# Altium PCB PCB1.PcbDoc (part 1 of 2) (continued)
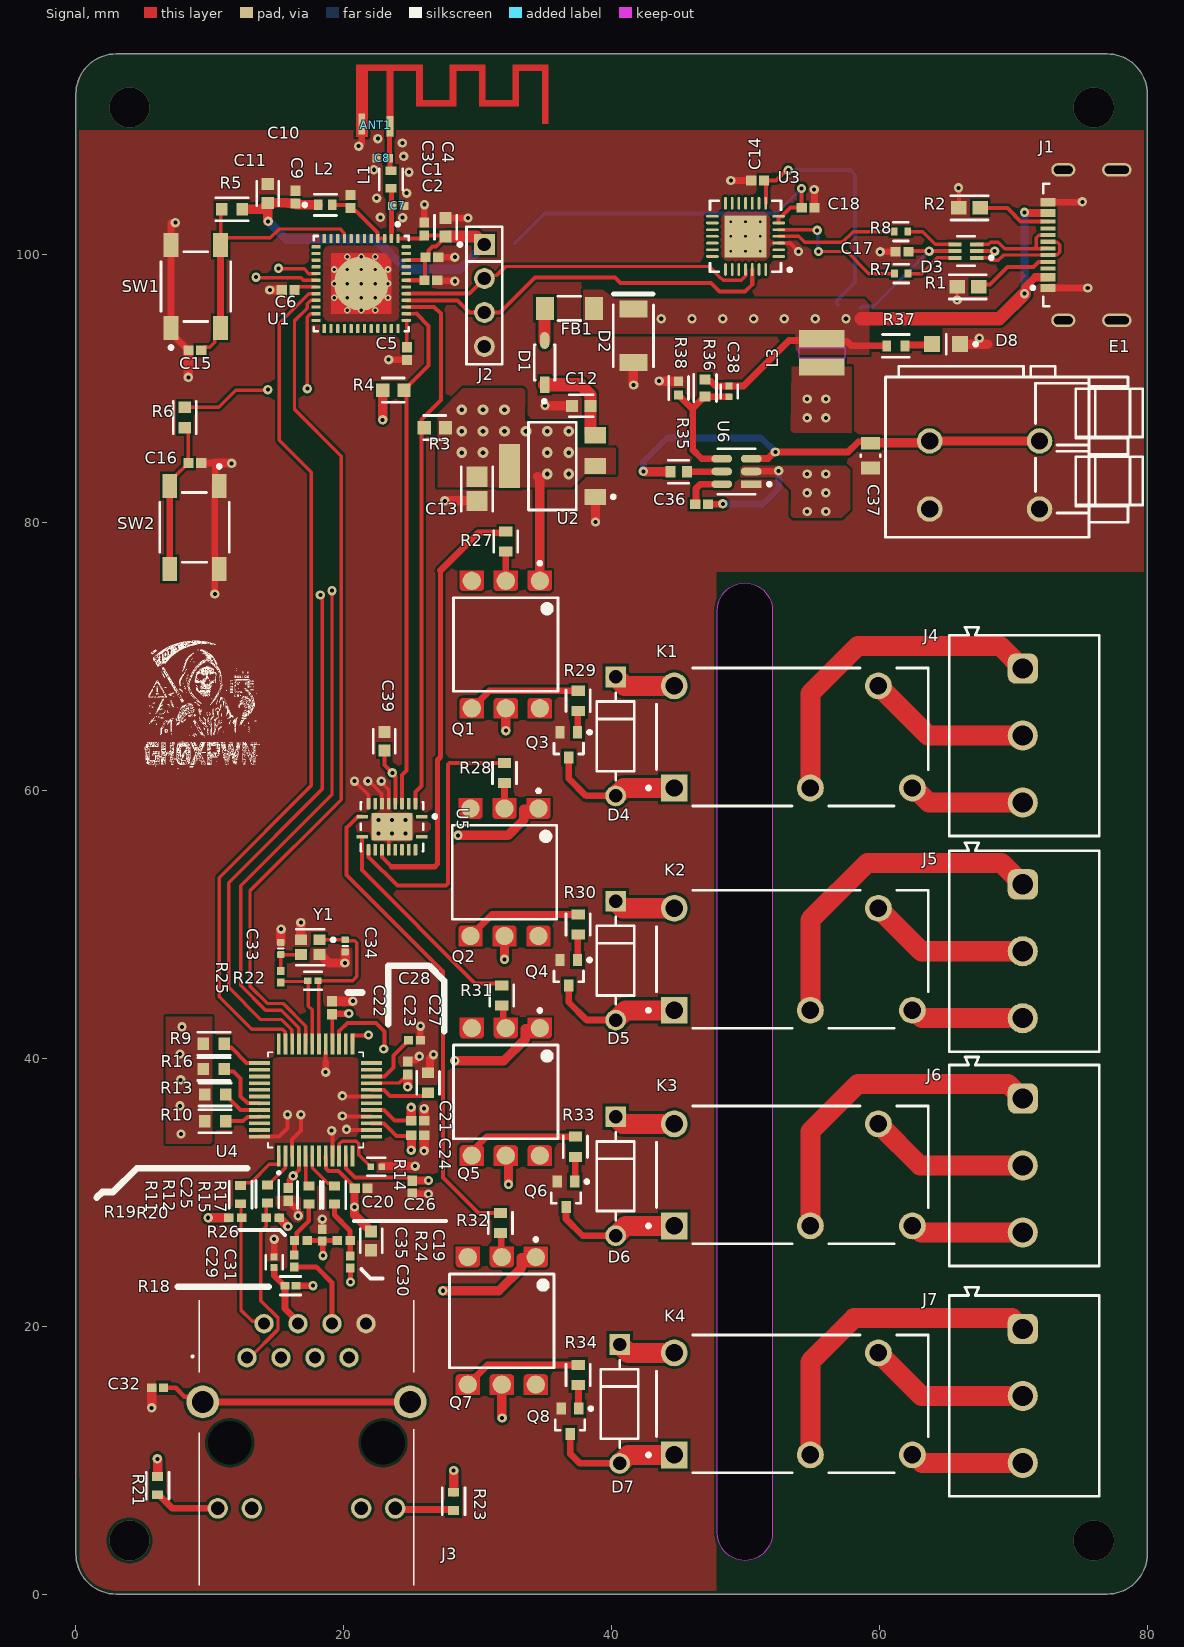
[diagram p0: Signal view]
## Components (designator, comment, footprint, x,y, rotation, side; value= is the part's Value field where it differs from the comment) (continued)
L2 "LQG15WZ22NH02J" FP-LQG15WH_02-IPC_A 18.627,103.725 r0 top
L3 "74438336068HT" WE-MAPI_3020 55.7,92.675 r90 top value=6.8uH
Q1 "4N25-X009T" FP-4N25-X009T-MFG 32.1,70.9 r270 top
Q2 "4N25-X009T" FP-4N25-X009T-MFG 32,53.9 r270 top
Q3 "BC817-40W-7" DIOD-SOT323-3_V 36.8,63.4 r270 top
Q4 "BC817-40W-7" DIOD-SOT323-3_V 36.8,46.4 r270 top
Q5 "4N25-X009T" FP-4N25-X009T-MFG 32.1,37.5 r270 top
Q6 "BC817-40W-7" DIOD-SOT323-3_V 36.6,29.85 r270 top
Q7 "4N25-X009T" FP-4N25-X009T-MFG 31.8,20.4 r270 top
Q8 "BC817-40W-7" DIOD-SOT323-3_V 36.9,12.9 r270 top
R1 "TFCR0603-10W-E-5101FT-1K" FP-TFCR0603-IPC_A 66.6,97.6 r0 top value=5.1kR
R2 "TFCR0603-10W-E-5101FT-1K" FP-TFCR0603-IPC_A 66.723,103.5 r0 top value=5.1kR
R3 "TFCR0603-10W-E-1001BT-1K" FP-TFCR0603-MFG 26.8,87.1 r180 top value=4K7R
R4 "TFCR0603-10W-E-1001BT-1K" FP-TFCR0603-MFG 23.7,89.9 r0 top value=4K7R
R5 "AC0603FR-7W10KL" FP-AC0603-IPC_B 11.648,103.4 r180 top value=10kR
R6 "AC0603FR-7W10KL" FP-AC0603-IPC_B 8.125,87.85 r90 top
R7 "RMCF0402FT22R0" FP-RMCF0402-MFG 61.625,98.6 r180 top
R8 "RMCF0402FT22R0" FP-RMCF0402-MFG 61.6,101.725 r180 top
R9 "AC0603FR-7W10KL" FP-AC0603-IPC_B 10.3,41.1 r0 top value=10kR
R10 "AC0603FR-7W10KL" FP-AC0603-IPC_B 10.4,35.3 r0 top value=10kR
R11 "AC0603JR-07330RL" FP-AC0603-IPC_C 12.3,29.823 r270 top
R12 "AC0603JR-07330RL" FP-AC0603-IPC_C 14.3,29.877 r270 top
R13 "AC0603FR-7W10KL" FP-AC0603-IPC_B 10.4,37.3 r0 top value=10kR
R14 "RK73H1ERTTP1242F" FP-RK73H1E-IPC_C 22.425,31.9 r180 top
R15 "AC0603JR-07330RL" FP-AC0603-IPC_C 17.4,29.8 r270 top
R16 "AC0603FR-7W10KL" FP-AC0603-IPC_B 10.3,39.2 r0 top value=10kR
R17 "AC0603JR-07330RL" FP-AC0603-IPC_C 19.3,29.8 r270 top
R18 "RMCF0402FT10R0" FP-RMCF0402-IPC_B 16.025,23.025 r0 top
R19 "RC0402FR-1349R9L" RESC1005X40X25ML05T10 11.9,28.1 r180 top value=49.9
R20 "RC0402FR-1349R9L" RESC1005X40X25ML05T10 14.7,28.1 r0 top value=49.9
R21 "AC0603JR-07330RL" FP-AC0603-IPC_C 6.1,8.1 r90 top
R22 "CRGCQ0402F1M0" FP-CRGCQ0402-IPC_C 17.7,45.8 r180 top value=1MΩ
R23 "AC0603JR-07330RL" FP-AC0603-IPC_C 28.2,6.923 r90 top
R24 "RC0402FR-1349R9L" RESC1005X40X25ML05T10 20,26.4 r0 top value=49.9
R25 "RC0402JR-100RL" RESC1005X40X25NL05T10 15.3,46.1 r270 top value=0R
R26 "RC0402FR-1349R9L" RESC1005X40X25ML05T10 16.8,26.4 r180 top value=49.9
R27 "CRCW0603330RFKEA" FP-CRCW0603-e3-MFG 32.1,78.6 r270 top
R28 "CRCW0603330RFKEA" FP-CRCW0603-e3-MFG 32,61.3 r90 top
R29 "CRCW0603330RFKEA" FP-CRCW0603-e3-MFG 37.5,66.7 r90 top
R30 "CRCW0603330RFKEA" FP-CRCW0603-e3-MFG 37.5,50 r90 top
R31 "CRCW0603330RFKEA" FP-CRCW0603-e3-MFG 31.8,44.7 r90 top
R32 "CRCW0603330RFKEA" FP-CRCW0603-e3-MFG 31.7,27.7 r90 top
R33 "CRCW0603330RFKEA" FP-CRCW0603-e3-MFG 37.3,33.4 r90 top
R34 "CRCW0603330RFKEA" FP-CRCW0603-e3-MFG 37.5,16.35 r90 top
R35 "CRCW0603442KFKEC" FP-CRCW0603-e3-IPC_C 45,83.8 r0 top
R36 "CRGP0603F100K" FP-CRGP0603-IPC_C 46.975,90.05 r90 top value=100KΩ
R37 "AC0603JR-07330RL" FP-AC0603-IPC_C 61.225,93.2 r180 top
R38 "RN73R1ETTP1112B25" FP-RN73R1E-IPC_A 45,90.05 r270 top value=11.1kR
SW1 "TM-533I-Q-T/R" MULT-TM-533I-Q_V 8.95,97.625 r90 top
SW2 "TM-533I-Q-T/R" MULT-TM-533I-Q_V 8.85,79.65 r270 top
U1 "ESP32-PICO-V3" FP-ESP32-PICO-V3-MFG 21.3,97.85 r270 top
U2 "AZ1117CH-3.3TRG1" FP-SOT223-MFG 35.575,84.225 r180 top locked
U3 "CP2102-GMR" SLAB-QFN-28-3125x3125TP_M 50,101.375 r180 top
U4 "W5500" QFP50P900X900X160-48N 17.9,36.9 r90 top locked
U5 "PCF8574RGYR" RGY0020A_V 23.6,57.3 r270 top
U6 "TPS54202HDDCR" FP-DDC0006A-IPC_B 49.325,83.825 r180 top
Y1 "ABM11AIG-25.000MHZ-J4Z-T3" FP-ABM11AIG-MFG 17.5,48.3 r180 top

## Footprints (in the part's own frame and the unit in brackets; to place one, negate y for a bottom-side part, rotate by r counter-clockwise, add the part's x,y. Pads: shape width x height; smd on the part's side, far side on the other; paste and mask are expansions set on the pad)
691253710003 [mm] "Serie 2537 - 5.00 mm _ 3 pins"
  rrect50% 2.25x2.25 hole 1.5: 1(-5,-0.1)
  round 2.25 hole 1.5: 2(0,-0.1) 3(5,-0.1)
  silkscreen extent -8.1,-5.6 7.5,5.6, body extent -8.1,-5.6 7.5,5.6, height 18.1
"Antena 2.4Ghz" [mm]
  rect 0.5x1.56 smd: 1(0,0.95) 2(2.1,0.79)
  Signal region: 11.25,4.9 13.95,4.9 13.95,5.4 11.25,5.4
  Signal region: 13.45,0.96 13.95,0.96 13.95,4.99 13.45,4.99
  Signal region: 11.25,2.26 11.75,2.26 11.75,5 11.25,5
  Signal region: 8.75,2.26 9.25,2.26 9.25,5 8.75,5
  Signal region: 6.55,2.26 7.05,2.26 7.05,4.95 6.55,4.95
  Signal region: 9.21,2.26 11.31,2.26 11.31,2.76 9.21,2.76
  Signal region: 4.05,2.26 4.55,2.26 4.55,4.92 4.05,4.92
  Signal region: -0.45,4.9 4.55,4.9 4.55,5.4 -0.45,5.4
  Signal region: 1.85,0 2.35,0 2.35,4.92 1.85,4.92
  Signal region: 6.55,4.9 9.25,4.9 9.25,5.4 6.55,5.4
  Signal region: 4.53,2.26 6.57,2.26 6.57,2.76 4.53,2.76
  Signal region: -0.45,0 0.45,0 0.45,4.92 -0.45,4.92
BOUR-SMA-2_V [mm] "SMA, 2-Leads, Body 4.57x2.92mm"
  rect 1.27x2.1 smd: 1(-1.985,0) 2(1.985,0)
  silkscreen extent -2.3,-1.5 3.12,1.5, body extent -2.5,-1.46 2.5,1.46, height 2.62
CAPC0402(1005)33_L [mm] "Chip Capacitor, Body 1.0x0.5mm, Height 0.33mm, IPC High Density"
  rrect25% 0.5x0.55 smd: 1(-0.45,0) 2(0.45,0)
  silkscreen extent 0,-0.2 0,0.2, body extent -0.5,-0.25 0.5,0.25, height 0.55
CAPC0402(1005)60_N [mm] "Chip Capacitor, Body 1.0x0.5mm, Height 0.6mm, IPC Medium Density"
  rect 0.62x0.62 smd: 1(-0.45,0) 2(0.45,0)
  body extent -0.55,-0.3 0.55,0.3, height 0.6
CAPC1005X60X26NL10T16 [mm] "Chip Capacitor, 2-Leads, Body 1.00x0.50mm, IPC Medium Density"
  rect 0.68x0.64 smd: 1(-0.44,0) 2(0.44,0)
  body extent -0.55,-0.3 0.55,0.3, height 0.6
CAPC1005X60X30ML05T10 [mm] "Chip Capacitor, 2-Leads, Body 1.00x0.50mm, IPC Low Density"
  rect 0.76x0.72 smd: 1(-0.48,0) 2(0.48,0)
  body extent -0.53,-0.28 0.53,0.27, height 0.6
DIOD-SOT323-3_V [mm] "SOT323, 3-Leads, Body 2.2x1.35mm, Pitch 0.65mm"
  rect 0.9x0.7 smd: 1(-0.95,0.65) 2(-0.95,-0.65) 3(0.95,0)
  silkscreen extent -1.07,-1.1 0.67,1.68, body extent -1.1,-1.1 1.1,1.1, height 1.07
FP-1N4007-MFG [mm]
  rect 1.55x1.55 hole 1 paste-2539.97 mask+0: 1(-4.44,0)
  round 1.55 hole 1 paste-2539.97 mask+0: 2(4.44,0)
  silkscreen extent -3.26,-1.4 3.26,1.4, body extent -5.32,-1.5 5.32,1.5, height 0.25
FP-4N25-X009T-MFG [mm]
  round 1.368 smd paste+0 mask+0: 1(-4.76,2.54) 2(-4.76,0) 3(-4.76,-2.54) 4(4.76,-2.54) 5(4.76,0) 6(4.76,2.54)
  Signal region: -5.52,3.43 -4.25,3.43 -4.154,3.411 -4.073,3.357 -4.019,3.276 -4,3.18 -4,3.18 -4,1.9 -4.019,1.804 -4.073,1.723 -4.154,1.669 -4.25,1.65 -4.25,1.65 -5.52,1.65
  Signal region: 5.52,-0.89 4.25,-0.89 4.154,-0.871 4.073,-0.817 4.019,-0.736 4,-0.64 4,-0.64 4,0.64 4.019,0.736 4.073,0.817 4.154,0.871 4.25,0.89 4.25,0.89 5.52,0.89
  Signal region: 5.52,1.65 4.25,1.65 4.154,1.669 4.073,1.723 4.019,1.804 4,1.9 4,1.9 4,3.18 4.019,3.276 4.073,3.357 4.154,3.411 4.25,3.43 4.25,3.43 5.52,3.43
  Signal region: 5.52,-3.43 4.25,-3.43 4.154,-3.411 4.073,-3.357 4.019,-3.276 4,-3.18 4,-3.18 4,-1.9 4.019,-1.804 4.073,-1.723 4.154,-1.669 4.25,-1.65 4.25,-1.65 5.52,-1.65
  Signal region: -5.52,-1.65 -4.25,-1.65 -4.154,-1.669 -4.073,-1.723 -4.019,-1.804 -4,-1.9 -4,-1.9 -4,-3.18 -4.019,-3.276 -4.073,-3.357 -4.154,-3.411 -4.25,-3.43 -4.25,-3.43 -5.52,-3.43
  Signal region: -5.52,0.89 -4.25,0.89 -4.154,0.871 -4.073,0.817 -4.019,0.736 -4,0.64 -4,0.64 -4,-0.64 -4.019,-0.736 -4.073,-0.817 -4.154,-0.871 -4.25,-0.89 -4.25,-0.89 -5.52,-0.89
  silkscreen extent -6.2,-3.9 3.5,3.9, body extent -5.62,-4 5.62,4, height 0.25
FP-315-43-104-41-003000-MFG [mm]
  rect 1.55x1.55 hole 1 paste-2539.97 mask+0: 1(-3.81,0)
  round 1.55 hole 1 paste-2539.97 mask+0: 2(-1.27,0) 3(1.27,0) 4(3.81,0)
  silkscreen extent -5.14,-1.95 5.14,1.33, body extent -5.24,-1.43 5.24,1.43, height 0.25
FP-216990-0002-MFG [mm]
  rrect100% 1x1.8 hole 1.4 slot 0.6 at 0 deg paste-2539.97 mask+0: 1(-5.62,2.85) 2(5.62,2.85)
  rrect100% 1x2.2 hole 1.8 slot 0.6 at 0 deg paste-2539.97 mask+0: 3(-5.62,-1.15) 4(5.62,-1.15)
  rect 0.6x1.1 smd paste+0 mask+0: A1-B12(-3.2,4) A4-B9(-2.4,4) B1-A12(3.2,4) B4-A9(2.4,4)
  rect 0.3x1.1 smd paste+0 mask+0: A5(-1.25,4) A6(-0.25,4) A7(0.25,4) A8(1.25,4) B5(1.75,4) B6(0.75,4) B7(-0.75,4) B8(-1.75,4)
  silkscreen extent -4.57,3.9 4.57,5.25, body extent -6.22,-3.45 6.22,4.65, height 0.25
FP-ABM11AIG-MFG [mm]
  rect 0.9x0.8 smd paste+0 mask+0: 1(-0.7,-0.55) 2(0.7,-0.55) 3(0.7,0.55) 4(-0.7,0.55)
  silkscreen extent -1.83,-1.35 1.05,1.35, body extent -1.25,-1.05 1.25,1.05, height 0.25
FP-AC0603-IPC_B [mm]
  rect 0.859x0.912 smd paste+0 mask+0: 1(-0.777,0) 2(0.777,0)
  silkscreen extent -1.21,-0.86 1.21,0.86, body extent -1.46,-0.71 1.46,0.71, height 0.25
FP-AC0603-IPC_C [mm]
  rect 0.659x0.812 smd paste+0 mask+0: 1(-0.677,0) 2(0.677,0)
  silkscreen extent -1.01,-0.85 1.01,0.85, body extent -1.11,-0.55 1.11,0.55, height 0.25
FP-BLM41-0_2-a1_2-IPC_C [mm]
  rect 1.354x1.706 smd paste+0 mask+0: 1(-1.826,0) 2(1.826,0)
  silkscreen extent -0.85,-0.9 0.85,0.9, body extent -2.6,-1 2.6,1, height 0.25
FP-C0402-BB-MFG [mm]
  rect 0.52x0.52 smd paste+0 mask+0: 1(-0.4,0) 2(0.4,0)
  silkscreen extent -0.5,-0.64 0.5,0.64, body extent -0.8,-0.4 0.8,0.4, height 0.25
FP-C0805C226M8PACTU-IPC_A [mm]
  rect 1.505x1.556 smd paste+0 mask+0: 1(-0.901,0) 2(0.901,0)
  silkscreen extent -1.65,-1.18 1.65,1.18, body extent -2.15,-1.28 2.15,1.28, height 0.25
FP-CC0603-DA-MFG [mm]
  rect 0.8x0.9 smd paste+0 mask+0: 1(-0.75,0) 2(0.75,0)
  silkscreen extent -0.85,-0.85 0.85,0.85, body extent -1.35,-0.75 1.35,0.75, height 0.25
FP-CC0603-DC-MFG [mm]
  rect 0.9x0.9 smd paste+0 mask+0: 1(-0.7,0) 2(0.7,0)
  silkscreen extent -0.9,-0.82 0.9,0.82, body extent -1.35,-0.75 1.35,0.75, height 0.25
FP-CC0805-0_85-MFG [mm]
  rect 0.95x1.4 smd paste+0 mask+0: 1(-0.925,0) 2(0.925,0)
  silkscreen extent -0.08,-0.72 0.08,0.72, body extent -1.6,-1.05 1.6,1.05, height 0.25
FP-CRCW0603-e3-IPC_C [mm]
  rect 0.735x0.862 smd paste+0 mask+0: 1(-0.615,0) 2(0.615,0)
  silkscreen extent -0.75,-0.85 0.75,0.85, body extent -1.08,-0.58 1.08,0.58, height 0.25
FP-CRCW0603-e3-MFG [mm]
  rect 0.75x1 smd paste+0 mask+0: 1(-0.75,0) 2(0.75,0)
  silkscreen extent -0.8,-0.9 0.8,0.9, body extent -1.22,-0.6 1.22,0.6, height 0.25
FP-CRGCQ0402-IPC_C [mm]
  rect 0.56x0.472 smd paste+0 mask+0: 1(-0.376,0) 2(0.376,0)
  silkscreen extent -0.66,-0.67 0.66,0.67, body extent -0.76,-0.38 0.76,0.38, height 0.25
FP-CRGP0603-IPC_C [mm]
  rect 0.758x0.812 smd paste+0 mask+0: 1(-0.627,0) 2(0.627,0)
  silkscreen extent -1.01,-0.85 1.01,0.85, body extent -1.11,-0.55 1.11,0.55, height 0.25
FP-DDC0006A-IPC_B [mm]
  rect 1.554x0.572 smd paste+0 mask+0: 1(-1.1,0.95)
  rrect100% 1.554x0.572 smd paste+0 mask+0: 2(-1.1,0) 3(-1.1,-0.95) 4(1.1,-0.95) 5(1.1,0) 6(1.1,0.95)
  silkscreen extent -2.58,-1.7 1.4,1.7, body extent -2.13,-1.7 2.13,1.7, height 0.25
FP-ESP32-PICO-V3-MFG [mm]
  rrect40% 0.68x0.25 smd paste-1000 mask-1000: 1(-3.365,2.75) 2(-3.365,2.25) 3(-3.365,1.75) 4(-3.365,1.25) 5(-3.365,0.75) 6(-3.365,0.25) 7(-3.365,-0.25) 8(-3.365,-0.75) 9(-3.365,-1.25) 10(-3.365,-1.75) 11(-3.365,-2.25) 12(-3.365,-2.75) 25(3.365,-2.75) 26(3.365,-2.25) 27(3.365,-1.75) 28(3.365,-1.25) 29(3.365,-0.75) 30(3.365,-0.25) 31(3.365,0.25) 32(3.365,0.75) 33(3.365,1.25) 34(3.365,1.75) 35(3.365,2.25) 36(3.365,2.75)
  rrect40% 0.25x0.68 smd paste-1000 mask-1000: 13(-2.75,-3.365) 14(-2.25,-3.365) 15(-1.75,-3.365) 16(-1.25,-3.365) 17(-0.75,-3.365) 18(-0.25,-3.365) 19(0.25,-3.365) 20(0.75,-3.365) 21(1.25,-3.365) 22(1.75,-3.365) 23(2.25,-3.365) 24(2.75,-3.365) 37(2.75,3.365) 38(2.25,3.365) 39(1.75,3.365) 40(1.25,3.365) 41(0.75,3.365) 42(0.25,3.365) 43(-0.25,3.365) 44(-0.75,3.365) 45(-1.25,3.365) 46(-1.75,3.365) 47(-2.25,3.365) 48(-2.75,3.365)
  round 4.05 smd paste-1000 mask+0: 49(0,0)
  Signal region: -2.25,-2.2 -2.243,-2.225 -2.225,-2.243 -2.2,-2.25 -2.2,-2.25 2.2,-2.25 2.225,-2.243 2.243,-2.225 2.25,-2.2 2.25,-2.2 2.25,2.2 2.243,2.225 2.225,2.243 2.2,2.25 2.2,2.25 -1.75,2.25 -2.25,1.75 -2.25,1.75
  silkscreen extent -4.55,-3.55 3.55,3.55, body extent -3.96,-3.96 3.96,3.96, height 0.25
FP-G5Q-14-EU_DC5-MFG [mm]
  rect 2x2 hole 1.3 paste-2539.97 mask+0: 1(-8.82,-3.81)
  round 2 hole 1.3 paste-2539.97 mask+0: 2(1.34,-3.81) 3(8.96,-3.81) 4(6.42,3.81) 5(-8.82,3.81)
  silkscreen extent -10.87,-5.15 10.15,5.15, body extent -10.25,-5.25 10.25,5.25, height 0.25
FP-LQG15WH_02-IPC_A [mm]
  rect 0.627x0.772 smd paste+0 mask+0: 1(-0.523,0) 2(0.523,0)
  silkscreen extent -1.66,-0.79 0.84,0.79, body extent -1.04,-0.59 1.04,0.59, height 0.25
FP-LQW18AN_10-MFG [mm]
  rect 0.625x0.85 smd paste+0 mask+0: 1(-0.663,0) 2(0.663,0)
  silkscreen extent -0.8,-0.87 0.8,0.87, body extent -1.07,-0.65 1.07,0.65, height 0.25
FP-RK73H1E-IPC_C [mm]
  rect 0.488x0.472 smd paste+0 mask+0: 1(-0.414,0) 2(0.414,0)
  silkscreen extent -0.66,-0.67 0.66,0.67, body extent -0.76,-0.38 0.76,0.38, height 0.25
FP-RMCF0402-IPC_B [mm]
  rect 0.681x0.572 smd paste+0 mask+0: 1(-0.416,0) 2(0.416,0)
  silkscreen extent -0.76,-0.69 0.76,0.69, body extent -0.91,-0.44 0.91,0.44, height 0.25
FP-RMCF0402-MFG [mm]
  rect 0.5x0.6 smd paste+0 mask+0: 1(-0.5,0) 2(0.5,0)
  silkscreen extent -0.55,-0.7 0.55,0.7, body extent -0.85,-0.4 0.85,0.4, height 0.25
FP-RN73R1E-IPC_A [mm]
  rect 0.688x0.672 smd paste+0 mask+0: 1(-0.514,0) 2(0.514,0)
  silkscreen extent -0.86,-0.74 0.86,0.74, body extent -1.06,-0.54 1.06,0.54, height 0.25
FP-SML-LX0805UWC-TR-MFG [mm]
  rect 1.2x1.2 smd paste+0 mask+0: 1(-1.05,0) 2(1.05,0)
  silkscreen extent -2.33,-0.75 0,0.75, body extent -1.75,-0.85 1.75,0.85, height 0.25
FP-SOD123-IPC_B [mm]
  rect 1.257x0.702 smd paste+0 mask+0: 1(-1.65,0)
  rrect100% 1.257x0.702 smd paste+0 mask+0: 2(1.65,0)
  silkscreen extent -3.02,-0.77 1.33,0.77, body extent -2.53,-1.02 2.53,1.02, height 0.25
FP-SOT223-MFG [mm]
  rect 1.6x1.2 smd paste+0 mask+0: 1(-3.2,2.3) 2(-3.2,0) 3(-3.2,-2.3)
  rect 1.6x3.3 smd paste+0 mask+0: 4(3.2,0)
  silkscreen extent -4.68,-3.27 1.78,3.27, body extent -4.1,-3.37 4.1,3.37, height 0.25
FP-SOT-666-MFG [mm]
  rect 0.99x0.3 smd paste+0 mask+0: 1(-0.805,0.5) 2(-0.805,0) 3(-0.805,-0.5) 4(0.805,-0.5) 5(0.805,0) 6(0.805,0.5)
  silkscreen extent -2.02,-1.1 0.65,1.1, body extent -1.4,-0.95 1.4,0.95, height 0.25
FP-TFCR0603-IPC_A [mm]
  rect 1.158x1.012 smd paste+0 mask+0: 1(-0.802,0) 2(0.802,0)
  silkscreen extent -1.38,-0.91 1.38,0.91, body extent -1.88,-1.01 1.88,1.01, height 0.25
FP-TFCR0603-MFG [mm]
  rect 1x1 smd paste+0 mask+0: 1(-0.8,0) 2(0.8,0)
  silkscreen extent -0.82,-0.9 0.82,0.9, body extent -1.4,-0.6 1.4,0.6, height 0.25
HR911105A [mm]
  round 1.446 hole 0.89: 1(0,0) 2(-1.27,-2.54) 3(-2.54,0) 4(-3.81,-2.54) 5(-5.08,0) 6(-6.35,-2.54) 7(-7.62,0) 8(-8.89,-2.54)
  round 1.53 hole 1.02: 9(2.18,11.25) 10(-0.36,11.25) 11(-8.53,11.25) 12(-11.07,11.25)
  round 2.445 hole 1.63: MH1(3.3,3.3) MH2(-12.19,3.3)
  round 1.625 hole 3.25 unplated: MH3(1.27,6.35) MH4(-10.16,6.35)
  silkscreen extent -12.46,-4.3 4.1,17, body extent -12.39,-4.08 3.49,17.32, height 13.53
LMF_5_08_90_02 [mm] "OMNIMATE Signal - Serie LMF  LMF 5.08/02/90 3.5"
  round 1.9 hole 1.3: A1(-3.88,-2.45) A1(-3.88,5.75) A2(1.2,5.75) A2(1.2,-2.45)
  silkscreen extent -5.98,-10.15 6.78,9.05, body extent -5.98,-10.15 6.83,9.05, height 14.81
MULT-TM-533I-Q_V [mm] "SMD, 4-Leads, Body 5.2x5.2mm"
  rect 1.8x1.1 smd: 1(-3.1,1.85) 2(3.1,1.85) 3(-3.1,-1.85) 4(3.1,-1.85)
  silkscreen extent -4.67,-2.6 2.6,2.6, body extent -2.6,-2.6 2.6,2.6, height 1.74
QFP50P900X900X160-48N [mm]
  rect 1.56x0.28 smd: 1(-4.18,2.75) 2(-4.18,2.25) 3(-4.18,1.75) 4(-4.18,1.25) 5(-4.18,0.75) 6(-4.18,0.25) 7(-4.18,-0.25) 8(-4.18,-0.75) 9(-4.18,-1.25) 10(-4.18,-1.75) 11(-4.18,-2.25) 12(-4.18,-2.75) 25(4.18,-2.75) 26(4.18,-2.25) 27(4.18,-1.75) 28(4.18,-1.25) 29(4.18,-0.75) 30(4.18,-0.25) 31(4.18,0.25) 32(4.18,0.75) 33(4.18,1.25) 34(4.18,1.75) 35(4.18,2.25) 36(4.18,2.75)
  rect 0.28x1.56 smd: 13(-2.75,-4.18) 14(-2.25,-4.18) 15(-1.75,-4.18) 16(-1.25,-4.18) 17(-0.75,-4.18) 18(-0.25,-4.18) 19(0.25,-4.18) 20(0.75,-4.18) 21(1.25,-4.18) 22(1.75,-4.18) 23(2.25,-4.18) 24(2.75,-4.18) 37(2.75,4.18) 38(2.25,4.18) 39(1.75,4.18) 40(1.25,4.18) 41(0.75,4.18) 42(0.25,4.18) 43(-0.25,4.18) 44(-0.75,4.18) 45(-1.25,4.18) 46(-1.75,4.18) 47(-2.25,4.18) 48(-2.75,4.18)
  silkscreen extent -5.55,-3.55 3.55,3.55, body extent -4.5,-4.5 4.5,4.5, height 1.6
RESC1005X40X25ML05T10 [mm] "Chip Resistor, 2-Leads, Body 1.00x0.50mm, IPC Low Density"
  rect 0.7x0.65 smd: 1(-0.475,0) 2(0.475,0)
  body extent -0.53,-0.27 0.53,0.28, height 0.4
RESC1005X40X25NL05T10 [mm] "Chip Resistor, 2-Leads, Body 1.00x0.50mm, IPC Medium Density"
  rect 0.6x0.55 smd: 1(-0.425,0) 2(0.425,0)
  body extent -0.53,-0.27 0.53,0.28, height 0.4
RGY0020A_V [mm] "QFN, 20-Leads, Body 4.5x3.5mm, Thermal Pad 3.05x2.05mm, TI Recommend"
  rrect36% 0.28x0.85 smd paste-0.85 mask+0.07: 1(-0.75,2.225) 10(-0.75,-2.225) 11(0.75,-2.225) 20(0.75,2.225)
  rrect36% 0.85x0.28 smd paste-0.85 mask+0.07: 2(-1.725,1.75) 3(-1.725,1.25) 4(-1.725,0.75) 5(-1.725,0.25) 6(-1.725,-0.25) 7(-1.725,-0.75) 8(-1.725,-1.25) 9(-1.725,-1.75) 12(1.725,-1.75) 13(1.725,-1.25) 14(1.725,-0.75) 15(1.725,-0.25) 16(1.725,0.25) 17(1.725,0.75) 18(1.725,1.25) 19(1.725,1.75)
  rrect5% 2.05x3.05 smd paste-2.05 mask+0.07: 21(0,0)
  silkscreen extent -1.83,-2.32 1.83,3.33, body extent -1.75,-2.25 1.75,2.25, height 1
SLAB-QFN-28-3125x3125TP_M [mm] "QFN, 28-Leads, Body 5x5mm, Pitch 0.5mm, Thermal Pad 3.13x3.13mm, IPC Low Density"
  oval 0.95x0.2 smd: 1(-2.475,1.5) 2(-2.475,1) 3(-2.475,0.5) 4(-2.475,0) 5(-2.475,-0.5) 6(-2.475,-1) 7(-2.475,-1.5) 15(2.475,-1.5) 16(2.475,-1) 17(2.475,-0.5) 18(2.475,0) 19(2.475,0.5) 20(2.475,1) 21(2.475,1.5)
  oval 0.2x0.95 smd: 8(-1.5,-2.475) 9(-1,-2.475) 10(-0.5,-2.475) 11(0,-2.475) 12(0.5,-2.475) 13(1,-2.475) 14(1.5,-2.475) 22(1.5,2.475) 23(1,2.475) 24(0.5,2.475) 25(0,2.475) 26(-0.5,2.475) 27(-1,2.475) 28(-1.5,2.475)
  rect 3.13x3.13 smd: 29(0,0)
  silkscreen extent -3.42,-2.65 2.65,2.65, body extent -2.5,-2.5 2.5,2.5, height 1
WE-MAPI_3020 [mm] "SMT Shielded Power Inductor, body 3.00 x 3.00 mm"
  rect 1.3x3.4 smd: 1(-1.05,0) 2(1.05,0)
  Signal keep-out region: -0.4,1.7 0.4,1.7 0.4,-1.7 -0.4,-1.7
  body extent -1.5,-1.5 1.5,1.5, height 2.01

## Part data
ANT1: library part Component_1, Design Item ID=Component_1, Source=antena2.4Ghz.SchLib
C1 C2 C3 C5 C6 C9 C10 C14 C15 C16 C17 C18 C20 C21 C22 C23 C24 C25 C26 C36: library part CMP-2008-02199-1, Manufacturer=Kemet, Part Number=C0402C104M9RACTU
C4 C11 C12 C19 C39: library part CMP-00621-81932632-1, "CC0603KRX5R7BB106 Multilayer Ceramic Capacitor, 10 uF, 16 V, ± 10%, X5R, 0603 [1608 Metric]", Capacitance=10µF, Case/Package=0603, Dielectric=X5R, Max Operating Temperature=85°C, Min Operating Temperature=-55°C, Tolerance=10%, Voltage Rating=16V, Halogen Free="Halogen Free", Height=1mm, Lead Free="Lead Free", Material=Ceramic, NexarPartId=81932632, RoHS=Non-Compliant, Voltage Rating (DC)=16V
C7 C8: library part CMP-1034-00215-1, "CAP 2.7pF 50V ±0.1pF 0402 (1005 Metric) Thickness 0.6mm SMD", Case-EIA=0402, Case-Metric=1005, Rated Voltage="50 V", Tolerance=Â±0.1pF, Max Thickness="0.6 mm", Technology=SMT
C13: library part CMP-03020-034697-1, "CAP CER 22UF 10V X5R 0805", Capacitance=22uF, Case Code (Imperial)=0805, Case Code (Metric)=2012, Dielectric=X5R, Dielectric Material=Ceramic, Max Operating Temperature=85°C, Min Operating Temperature=-55°C, Tolerance=20%, Voltage=10V, Case/Package=0805, Depth=1.25mm, Dissipation Factor=10%, Height=1.25mm, Lead Free="Lead Free", Length=0.079inch, Mount="Surface Mount", Packaging="Tape and Reel", RoHS Compliant=Yes, Termination=Solder, Thickness=0.055inch, Voltage Rating=10V, Voltage Rating (DC)=10V, Width=0.049inch
C27: library part CMP-03422-001217-1, "CAP CER 4.7UF 25V X5R 0603", Capacitance="4.7 uF", Manufacturer=YAGEO, Package=CC0603-DA, Temperature="-55°C to +125°C", Temperature Characteristic=X5R, Temperature Coefficient=15%, Temperature Range High=+125°C, Temperature Range Low=-55°C, Tolerance=0.1, Voltage="25 V", Automotive=No, Category=Cap, ComponentLink2Description=Datasheet, ComponentLink2URL=http://www.yageo.com/documents/recent/UPY-GPHC_X7R_6.3V-to-50V_18.pdf, Device Class L1="Passive Components", Device Class L2=Capacitors, Device Class L3="Ceramic Capacitors", Digikey Description="CAP CER 4.7UF 25V X5R 0603", Footprint Url=http://www.yageo.com/exep/pages/download/literatures/UPY-C_GEN_24.pdf, Height=0.9mm, Lead Free=Yes, Manufacturer Part Number=CC0603KRX5R8BB475, Material=Ceramic, Octopart=https://octopart.com/cc0603krx5r8bb475-yageo-77825350, RoHS=TRUE, Voltage Rating="25 V"
C28 C32 C35: library part CMP-2008-01205-1, Manufacturer=Vitramon, Part Number=VJ0402Y103MXXAC
C29: library part CMP-03020-007459-1, "C0402 22,000 pF X7R 10.00% 16 V", Capacitance="22,000 pF", Manufacturer=Kemet, Package=C0402-BB, Temperature="-55°C to +125°C", Temperature Characteristic=X7R, Temperature Coefficient=15%, Temperature Range High=+125°C, Temperature Range Low=-55°C, Tolerance=0.1, Voltage Rating="16 V", Automotive=No, Category=Cap, ComponentLink2Description=Datasheet, ComponentLink2URL=https://content.kemet.com/datasheets/KEM_C1002_X7R_SMD.pdf, Device Class L1="Passive Components", Device Class L2=Capacitors, Device Class L3="Ceramic Capacitors", Height=0.55mm, Ipc Land Pattern Name=CAPC10050X50, Lead Free=Yes, Manufacturer Part Number=C0402C223K4RAC7411, Material=Ceramic, Octopart=https://octopart.com/c0402c223k4rac7411-kemet-89441538, RoHS=TRUE
C30 C31: library part CMP-1034-01847-2, Manufacturer=Vitramon, Part Number=VJ0402Y682KXXAC
C33 C34: library part CMP-001-00072-4, "Chip Capacitor, 12pF +/-10%, 50V, 0402, Thickness 0.33 mm", Case/Package=0402, Max Operating Temperature=85°C, Min Operating Temperature=-55°C, Tolerance=20%, Voltage Rating=50V, Mounting Technology=SMT, Pins=2
C37: library part CMP-03422-000966-1, "CAP CER 4.7UF 50V X5R 0805", Capacitance="4.7 uF", Manufacturer=Yageo, Package=CC0805-0.85, Temperature="-30°C to +85°C", Temperature Characteristic=X5R, Temperature Range High=+85°C, Temperature Range Low=-30°C, Tolerance=0.1, Voltage Rating="50 V", Automotive=No, Category=Cap, ComponentLink2Description=Datasheet, ComponentLink2URL=http://www.yageo.com/documents/recent/UPY-GPHC_Y5V_6.3V-to-50V_8.pdf, Device Class L1="Passive Components", Device Class L2=Capacitors, Device Class L3="Ceramic Capacitors", Digikey Description="CAP CER 4.7UF 50V X5R 0805", Footprint Url=http://www.yageo.com/exep/pages/download/literatures/UPY-C_GEN_24.pdf, Height=0.95mm, Ipc Land Pattern Name=CAPC200125X85, Lead Free=Yes, Manufacturer Part Number=CC0805KKX5R9BB475, Material=Ceramic, Octopart=https://octopart.com/cc0805kkx5r9bb475-yageo-81932641, RoHS=TRUE
C38: library part CMP-03020-011520-1, "C0402 68 pF X8R 5.00% 50 V", Capacitance="68 pF", Manufacturer=Kemet, Package=C0402-BB, Temperature="-55°C to +125°C", Temperature Characteristic=X8R, Temperature Coefficient=15%, Temperature Range High=+125°C, Temperature Range Low=-55°C, Tolerance=0.05, Voltage Rating="50 V", Automotive=No, Category=Cap, ComponentLink2Description=Datasheet, ComponentLink2URL=https://content.kemet.com/datasheets/KEM_C1002_X7R_SMD.pdf, Device Class L1="Passive Components", Device Class L2=Capacitors, Device Class L3="Ceramic Capacitors", Height=0.55mm, Ipc Land Pattern Name=CAPC10050X50, Lead Free=Yes, Manufacturer Part Number=C0402C680J5HACTU, Material=Ceramic, Octopart=https://octopart.com/c0402c680j5hactu-kemet-88724668, RoHS=TRUE
D1: library part CMP-0303-00003-3, "DIODE SCHOTTKY 40V 1A SOD123", Average Rectified Current=1A, Capacitance=110pF, Case/Package=SOD-123-2, Forward Voltage=450mV, Max Forward Surge Current (Ifsm)=25A, Max Operating Temperature=125°C, Max Power Dissipation=450mW, Max Repetitive Reverse Voltage (Vrrm)=40V, Min Operating Temperature=-65°C, Package Quantity=3000, Peak Reverse Current=50uA, Contact Plating=Tin, Current Rating=1A, Element Configuration=Single, Forward Current=1A, Height=1.25mm, Lead Free="Lead Free", Length=2.85mm, Max Reverse Voltage (DC)=40V, Number of Pins=2, Output Current=1A, Packaging="Tape and Reel", Peak Non-Repetitive Surge Current=25A, Polarity=Standard, Radiation Hardening=No, REACH SVHC="No SVHC", Termination=SMD/SMT, Voltage Rating (DC)=40V, Weight=0.000353oz, Width=1.7mm
D2: library part CMP-2000-07090-1, "SMAJ Transient Voltage Suppressor Diode Series, 3.5 V, -55 to 150 degC, 2-Pin SMA, RoHS, Tape and Reel", Capacitance @ Frequency=-, Current - Peak Pulse (10/1000µs)=43.5A, Manufacturer=Bourns, Operating Temperature=-55°C~150°C(TJ), Package / Case=DO-214AC,SMA, Package Description="2-Pin Surface Mount Device, Body 4.315 x 2.605 mm", Package Reference=SMA-2, Power - Peak Pulse=400W, Power Line Protection=No, Standard Package=1, Supplier Device Package=SMA(DO-214AC), Voltage - Breakdown (Min)=6.4V, Voltage - Clamping (Max) @ Ipp=9.2V, Voltage - Reverse Standoff (Typ)=5V, Applications=GeneralPurpose, Bidirectional Channels=-, Catalog Drawings=SMAJSeriesFootprintSMAJ,SMBJSeries, Category=CircuitProtection, Datasheet URL=https://datasheet.ciiva.com/25624/0900766b8112213b-25624680.pdf, Datasheet Version=08/2012, EDA / CAD Models=DownloadfromAcceleratedDesigns, Family=TVS-Diodes, Featured Product=SMAJ/SMBJ/SMCJ/SMLJDiscreteTVSDiodes, Manufacturer URL=http://www.bourns.com/, Mounting Technology=SurfaceMount, Mounting Type=SurfaceMount, Online Catalog=SMAJSeries, Other Names=SMAJ5.0ABDKR, Packaging=Digi-Reel®, RoHS Information=SMAJSeriesMaterialDeclaration, Series=SMAJ, Type=Zener, Unidirectional Channels=1
D3: library part CMP-12225-000058-1, "TVS DIODE 5.25V 17V SOT666", Breakdown Voltage=6V, Capacitance=3.5pF, Case/Package=SOT-666, Clamping Voltage=17V, Leakage Current=150nA, Max Operating Temperature=125°C, Min Operating Temperature=-40°C, Operating Supply Voltage=5V, Package Quantity=1, Peak Pulse Current=5A, Power Line Protection=Yes, Test Current=1mA, Contact Plating=Tin, Depth=1.3mm, Direction=Unidirectional, Element Configuration=Dual, ESD Protection=Yes, Height=0.6mm, Lead Free="Lead Free", Length=1.7mm, Max Breakdown Voltage=6V, Max Reverse Leakage Current=150nA, Min Breakdown Voltage=6V, Mount="Surface Mount", Number of Bidirectional Channels=2, Number of Channels=2, Number of Elements=1, Number of Pins=6, Packaging="Tape and Reel", Polarity=Unidirectional, Radiation Hardening=No, REACH SVHC="No SVHC", Reverse Breakdown Voltage=6V, Reverse Standoff Voltage=5V, Termination=SMD/SMT, Width=1.3mm, Working Voltage=5V
D4 D5 D6 D7: library part CMP-123542-000001-1, "Rectifier diode 1000 V 1 A DO-41, ,", Capacitance=15pF, Forward Current=1A, Manufacturer=Diotec, Max Junction Temp=+175°C, Max Repetitive Reverse Voltage=1000V, Max Surge Forward Current=27A, Peak Reverse Current=5uA, Temperature="-50°C to +175°C", Temperature Range Low=-50°C, Automotive=No, Category=Diode, ComponentLink2Description=Datasheet, ComponentLink2URL=https://datasheet.octopart.com/1N4007-Diotec-datasheet-62346875.pdf, Device Class L1="Discrete Semiconductors", Device Class L2=Diodes, Device Class L3="Rectifier Diodes", Height=2.8mm, Ipc Land Pattern Name=DIOAD888W100L520D280, Lead Free=Yes, Manufacturer Part Number=1N4007, Octopart=https://octopart.com/1n4007-diotec-4040411, Package=1N4007, Reverse Voltage=1000V, RoHS=TRUE, Temperature Range High=+175°C
D8: library part CMP-00229-00139794-1, "SML-LX0805UWC-TR White LED, 0805 Diffused, Rectangle Lens SMD package", Case/Package=0805, Forward Current=20mA, Forward Voltage=3.5V, Illumination Color=White, Lens Color="Clear, Yellow", Max Operating Temperature=85°C, Min Operating Temperature=-40°C, Power Rating=120mW, Approvals="CSA, UL", Luminous Intensity=150mcd, Mount="Surface Mount", NexarPartId=139794, Number of LEDs=1, RoHS=Compliant, Viewing Angle=120°
E1: library part CMP-1559-01844-1, "OMNIMATE Signal - series LMF", Colour=Orange, Manufacturer=Weidmueller, Rated_current_min_no_of_poles_TU_20_deg_C="32 A", Rated_current_use_group_B_UL_1059="20 A", Rated_voltage_for_surge_voltage_class_pollution_degree_II_2="400 V", Rated_voltage_use_group_B_UL_1059="300 V", UL_94_flammability_rating=V-0, ComponentLink1Description="Manufacturer URL", ComponentLink1URL=http://www.weidmueller.com/, ComponentLink2Description="URL Link1", ComponentLink2URL=http://catalog.weidmueller.com/catalog/Start.do?localeId=en&ObjectID=1330710000, Contact_material=CuSn, Contact_surface=tinned, Insulating_material="Wemid (PA)", No_of_poles=2, PackageReference=LMF_5_08_90_02, Packaging=Box, PartNumber=1330710000, Pitch_inch="0,2 inch", Pitch_mm="5,08 mm", Qty="130 PCS", Revision=V1, Short_text_for_material="LMF 5.08/02/90 3.5SN OR BX", Solder_pin_length_mm="3,5 mm", Solid_max_H05_07_V_U="2,5 mm²", Solid_min_H05_07_V_U="0,2 mm²", Wire_cross_section_AWG_max_UL_1059="AWG 12", Wire_cross_section_AWG_min_UL_1059="AWG 26"
FB1: library part CMP-06046-001990-1, "Ferrite Bead, 1806, 75Ω @ 100MHz, 0.015Ω, 3.5A", RoHS Compliant=Yes
J1: library part CMP-04767-000018-1, "CONN RCP USB2.0 TYP C 24P SMD RA"
J2: library part CMP-00254-30991456-1, "315-43-104-41-003000 4 Position Receptacle Connector 0.100 (2.54mm) Through Hole Gold\"", Color=Black, Current Rating=3A, Max Operating Temperature=125°C, Min Operating Temperature=-55°C, Voltage Rating=150V, Connector Type="Receptacle, Socket", Contact Material="Gold, Nickel", Contact Plating=Gold, Height=2.667mm, Mount="Through Hole", Number of Contacts=4, Number of Positions=4, Number of Rows=1, Packaging=Bulk, Pitch=2.54mm, RoHS=Compliant, Termination=Solder
J3: "Connector", Manufacturer_Name="Hanrun Electronics", Datasheet Link=https://datasheet.lcsc.com/szlcsc/Zhongshan-HanRun-Elec-HR911105A_C12074.pdf, Height=13.75mm, Manufacturer_Part_Number=HR911105A
J4 J5 J6 J7: library part CMP-1502-02590-3, "Terminal Block, 5.08MM Pitch, Horizontal, Modular, Rising Cage Clamp, 3PINS"
K1 K2 K3 K4: library part CMP-08822-000046-1, "RELAY GEN PURPOSE SPDT 10A 5V", Coil Current=80mA, Coil Power=400mW, Coil Resistance=63R, Coil Voltage (DC)=5V, Contact Current Rating=10A, Max Operating Temperature=85°C, Max Voltage Rating (AC)=277V, Max Voltage Rating (DC)=30V, Min Operating Temperature=-40°C, Package Quantity=400, Coil Type=Non-Latching, Contact Material=Silver, Depth=10.3mm, Length=20.3mm, Mount="Through Hole", Number of Pins=5, Operate Time=10ms, Packaging=Bulk, Relay Type="General Purpose", Release Time=5ms, RoHS Compliant=Yes, Series=G5Q-EU, Termination="PC Pin", Throw Configuration=SPDT, Voltage Rating (AC)=277V
L1: library part CMP-06042-001078-1, "Wire Wound RF Inductor for Automotive 2.2nH ±0.5nH 1400mA 0.018Ω 0603 (1608)"
L2: library part CMP-06042-013847-1, "Multilayer type Inductor for Automotive 22nH ±3% 1.1Ω 230mA 0402"
L3: library part CMP-03913-147411463-1, "Power Inductor, 6.8UH, Shielded, 2A Rohs Compliant: Yes"
Q1 Q2 Q5 Q7: library part CMP-00030-12292229-1, "4N25-X009T Optocoupler DC-IN 1-CH Transistor With Base DC-OUT 6-Pin PDIP SMD T/R", Case/Package=SMD/SMT, Collector Emitter Saturation Voltage=500mV, Collector Emitter Voltage (VCEO)=70V, Current Transfer Ratio=50%, Forward Current=60mA, Forward Voltage=1.36V, Max Collector Current=100mA, Max Operating Temperature=100°C, Max Power Dissipation=150mW, Min Operating Temperature=-55°C, Output Current per Channel=50mA, Reverse Breakdown Voltage=6V, Contact Plating=Tin, Lead Free="Lead Free", Max Input Current=60mA, Max Output Voltage=70V, Mount="Surface Mount", NexarPartId=12292229, Number of Channels=1, Number of Elements=1, Number of Pins=6, Packaging="Tape & Reel (TR)", Power Dissipation=150mW, Radiation Hardening=No, RoHS=Compliant
Q3 Q4 Q6 Q8: library part CMP-2000-05934-1, "NPN Small Signal Transistor, 45 V, 500 mA, -65 to 150 degC, 3-Pin SOT323, RoHS, Tape and Reel", Collector- Base Voltage VCBO=50V, Collector- Emitter Voltage VCEO Max=45V, Collector-Emitter Saturation Voltage=0.7V, Emitter- Base Voltage VEBO=5V, Manufacturer=DiodesIncorporated, Maximum DC Collector Current=1A, Maximum Operating Temperature=+150C, Minimum Operating Temperature=-65C, Package / Case=SOT-23, Package Description="3-Pin Small Outline Transistor, Body 2 x 1.25 mm, Pitch 0.65 mm", Package Reference=SOT323, Pd - Power Dissipation=200mW, Brand=DiodesIncorporated, Configuration=Single, Datasheet URL=http://www.diodes.com/_files/datasheets/ds30575.pdf, Datasheet Version="Rev. 5-2, 01/2014", DC Collector/Base Gain hfe Min=250, Factory Pack Quantity=3000, Gain Bandwidth Product fT=100MHz, Height=1mm, Length=2.2mm, Manufacturer URL=http://www.diodes.com/, Mounting Style=SMD/SMT, Mounting Technology=SurfaceMount, Packaging=Reel, Product Category=BipolarTransistors-BJT, RoHS=True, Series=BC817, Transistor Polarity=NPN, Unit Weight=0.000282oz, Width=1.35mm
R1 R2: library part CMP-250906-189493-1, "RES Thin Film,  5.1kΩ, 1%, 0.1W, 25ppm/°C, 0603"
R3 R4: library part CMP-250906-149963-1, "RES Thin Film,  1kΩ, 0.1%, 0.1W, 25ppm/°C, 0603"
R5 R6 R9 R10 R13 R16: library part CMP-03412-038553-1, "RES 10kΩ 1.00% 0.2W 0603"
R7 R8: library part CMP-26527-006952-1, "22Ω ±1% 0.063W 0402 Thick Film Chip Resistor AEC-Q200 compliant", Case/Package=0402, Max Operating Temperature=155°C, Max Power Dissipation=63mW, Min Operating Temperature=-55°C, Resistance=22R, Resistor Type="Thick Film", Temperature Coefficient=100ppm/°C, Tolerance=1%, Contact Plating=Tin, Features="Automotive AEC-Q200", Height=0.016inch, Length=0.039inch, Mount="Surface Mount", Number of Terminations=2, Packaging="Tape and Reel", RoHS Compliant=Yes, Series=RMCF, Width=0.02inch
R11 R12 R15 R17: library part CMP-03412-039929-1, "RES 330Ω 5.00% 0.1W 0603", Case Code (Imperial)=0603, Case Code (Metric)=1608, Max Operating Temperature=155°C, Max Power Dissipation=100mW, Min Operating Temperature=-55°C, Ratings=AEC-Q200, Resistance=33R, Resistor Type="Thick Film", Temperature Coefficient=100ppm/°C, Tolerance=5%, Voltage Rating=50V, Case/Package=0603, Features="Moisture Resistant", Height=0.45mm, Length=1.6mm, Number of Terminations=2, Packaging="Tape and Reel", Power Rating=100mW, RoHS Compliant=Yes, Series=AC, Termination=SMD/SMT, Weight=7.1E-05oz, Width=0.8mm
R14: library part CMP-04015-098464-1, "12.4kΩ ±1% 0.1W Chip Resistor 0402 Flat Chip (Anti-Sulfuration) AEC-Q200 Qualified", Case Code (Imperial)=0402, Case Code (Metric)=1005, Max Operating Temperature=155°C, Min Operating Temperature=-55°C, Package Quantity=10000, Power Rating=63mW, Resistance=12.4kR, Temperature Coefficient=100ppm/°C, Tolerance=1%, Voltage Rating=50V, Case/Package=0402, Height=0.35mm, Length=1mm, Packaging="Tape and Reel", RoHS Compliant=Yes, Termination=SMD/SMT, Weight=2.3E-05oz, Width=0.5mm
R18: library part CMP-26527-003397-1, "10Ω ±1% 0.063W 0402 Thick Film Chip Resistor AEC-Q200 compliant", Case Code (Imperial)=0402, Case Code (Metric)=1005, Max Operating Temperature=155°C, Max Power Dissipation=63mW, Min Operating Temperature=-55°C, Resistance=10R, Resistor Type="Thick Film", Temperature Coefficient=100ppm/°C, Tolerance=1%, Case/Package=0402, Construction=Rectangular, Contact Plating=Tin, Depth=0.5mm, Features="Automotive AEC-Q200", Height=0.016inch, Lead Free="Lead Free", Length=0.039inch, Military Standard=Not, Mount="Surface Mount", Number of Terminations=2, Packaging="Tape and Reel", Power Rating=63mW, Radiation Hardening=No, RoHS Compliant=Yes, Series=RMCF, Size Code=0402, Width=0.02inch
R19 R20 R24 R26: library part CMP-2002-07892-1, Manufacturer=Yageo, Part Number=RC0402FR-1349R9L
R21 R23 R37: library part CMP-03412-039929-1, "RES 330Ω 5.00% 0.1W 0603", Case Code (Imperial)=0603, Case Code (Metric)=1608, Max Operating Temperature=155°C, Max Power Dissipation=100mW, Min Operating Temperature=-55°C, Ratings=AEC-Q200, Resistance=330R, Resistor Type="Thick Film", Temperature Coefficient=100ppm/°C, Tolerance=5%, Voltage Rating=50V, Case/Package=0603, Features="Moisture Resistant", Height=0.45mm, Length=1.6mm, Number of Terminations=2, Packaging="Tape and Reel", Power Rating=100mW, RoHS Compliant=Yes, Series=AC, Termination=SMD/SMT, Weight=7.1E-05oz, Width=0.8mm